# Altium PCB PCB-Relay-Board-V1.PcbDoc (part 5 of 5)
Units mil, origin at the board's own origin, x right, y up, seen from the top; angles counter-clockwise.
Board outline 6496.06 x 5078.74 mil, 8 copper layers (Top Layer, Inner1, Inner2, Inner3, Inner4, Inner5, Inner6, Bottom Layer), stack 59.685 mil thick; 429 components, 373 nets, 1663 pads, 713 vias.
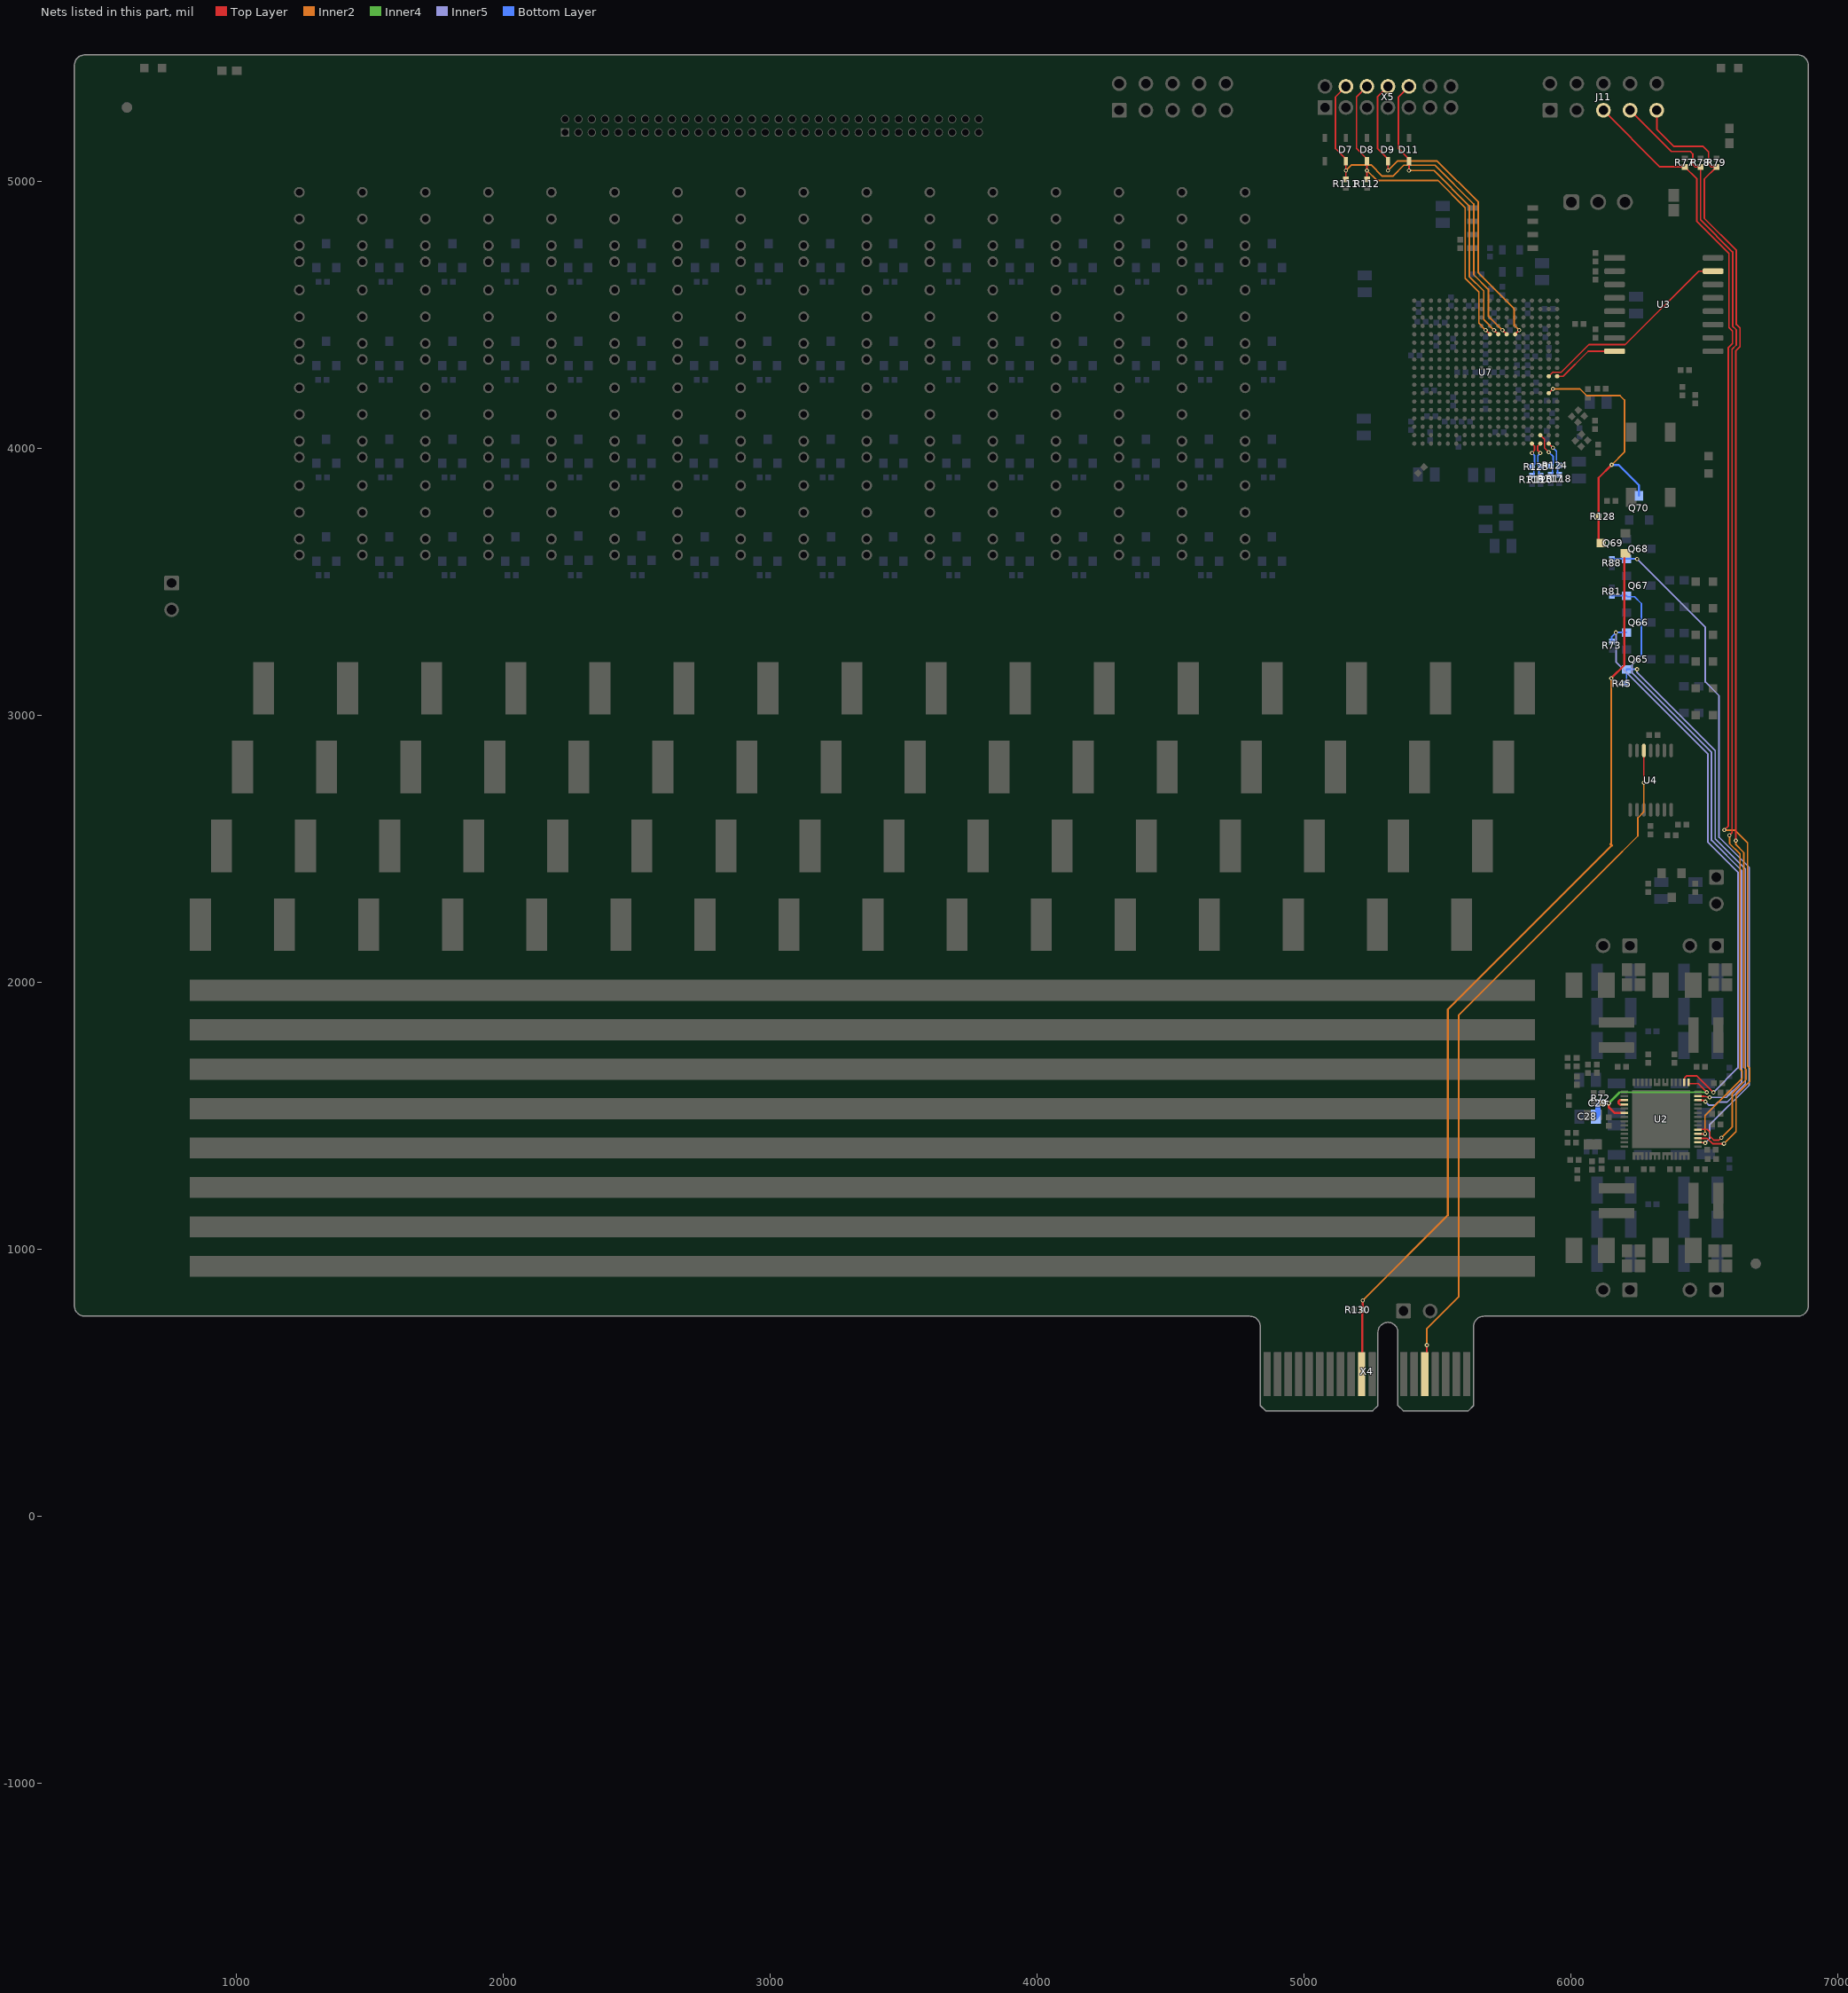
[diagram p11: the nets of this part, all layers, seen from the top]

## Via types
v1: diameter 15.75, hole 7.87, Top Layer to Bottom Layer, 631 vias
v2: diameter 27.56, hole 11.81, Top Layer to Bottom Layer, 82 vias

## Nets (pads, with @x,y where several pads share a name; then routed paths per layer and width w, separated by ;. In a path a pad name is that pad's centre, name@x,y a point inside that pad or via, vN(x,y) a via of type N, cw(c..) or ccw(c..) an arc to the next point about the centre after c; other vN are vias at no path point) (continued)
NetR117_1: R117.1 R124.1 U7.U16 | length 159.4
  Top Layer w5: 5901.56,4000.22 5901.56,4032.32
  Top Layer w6: U7.U16@5885.81,4048.06 5901.56,4032.32 ; 5901.56,4000.22 v1(5917.31,3984.48)
  Bottom Layer w6: v1(5917.31,3984.48) 5934.13,3967.65 5934.13,3944.02 R124.1@5924.85,3934.74 ; R117.1@5931.13,3905.28 R124.1@5931.13,3927.51
NetR118_1: R118.1 R124.2 U7.V17 | length 120.2
  Top Layer w6: U7.V17@5917.31,4016.57 v1(5933.06,4000.82)
  Bottom Layer w6: v1(5933.06,4000.82) 5946.29,3987.59 5946.29,3944.79 R124.2@5956.34,3934.74 ; R118.1@5950.06,3905.28 R124.2@5950.06,3927.51
NetR119_1: R119.1 R123.1 U7.V15 | length 124.7
  Top Layer w6: v1(5854.32,3981.19) 5864.17,3991.04 5864.17,4006.71 U7.V15@5854.32,4016.57
  Bottom Layer w6: v1(5854.32,3981.19) 5864.56,3970.94 5864.56,3939.72 R123.1@5855.24,3930.39 ; R119.1@5861.52,3900.94 R123.1@5861.52,3923.16
NetR120_1: R120.1 R123.2 U7.V16 | length 124.4
  Top Layer w6: v1(5885.81,3981.19) 5876.17,3990.83 5876.17,4006.93 U7.V16@5885.81,4016.57
  Bottom Layer w6: R120.1@5880.45,3900.94 R123.2@5880.45,3923.16 ; v1(5885.81,3981.19) 5876.56,3971.94 5876.56,3940.56 R123.2@5886.73,3930.39
NetU2_45: U2.45 U2.46 | length 54.4
  Top Layer w8.66: U2.46@6200.79,1541.34 6183.55,1541.34 6178.48,1546.41 6178.48,1552.01 6183.55,1557.09 U2.45@6200.79,1557.09
NetU3_8: U3.8 U7.K18 | length 254.1
  Top Layer w6: U7.K18@5948.8,4268.54 5971.29,4268.54 6065.16,4362.4 U3.8@6163.98,4362.4
NetU3_15: U3.15 U7.K17 | length 778.7
  Top Layer w5: 5933.06,4284.28 5964.55,4284.28
  Top Layer w6: U7.K17@5917.31,4268.54 5933.06,4284.28 ; 5964.55,4284.28 6067.56,4387.3 6203.74,4387.3 6478.84,4662.4 U3.15@6532.87,4662.4
nPOR_1: Q69.3 Q70.3 R128.2 U7.M17 | length 1061
  Top Layer w6: U7.M17@5917.31,4205.54 v1(5933.06,4221.29)
  Top Layer w8: Q69.3@6114.17,3643.7 6104.33,3653.54 R128.2@6104.33,3744.09 6104.33,3888.18 v1(6153.17,3937.02)
  Inner2 w6: v1(5933.06,4221.29) 6034.16,4221.29 6059.2,4196.25 6184.19,4196.25 6200.79,4179.66 6200.79,3984.64 v1(6153.17,3937.02)
  Bottom Layer w8: v1(6153.17,3937.02) 6178.94,3937.02 6255.91,3860.05 Q70.3@6255.91,3820.87
PG_A_2: Q65.1 R45.1 U2.26 | length 2033.5
  Top Layer w6: U2.26@6476.38,1557.09 6496.16,1557.09 v1(6504,1551.88)
  Inner5 w6: v1(6248.03,3171.26) 6248.03,3159.14 6541.12,2866.05 6541.12,2536.29 6654.18,2423.23 6654.18,1619.1 6585.24,1550.16 6551.49,1550.16 6539.42,1538.08 6517.8,1538.08 v1(6504,1551.88)
  Bottom Layer w6: R45.1@6208.66,3118.07 Q65.1@6208.66,3173.19 ; Q65.1@6208.66,3171.26 v1(6248.03,3171.26)
PG_B_2: Q66.1 R73.1 U2.30 | length 2182.2
  Top Layer w6: U2.30@6425.41,1624.23 6426.38,1625.2 6426.38,1640.83 6433.27,1647.73 6472.68,1647.73 v1(6534.03,1586.38)
  Inner5 w6: v1(6169.29,3309.06) 6169.29,3198.28 6513.12,2854.46 6513.12,2524.69 6626.18,2411.63 6626.18,1678.52 v1(6534.03,1586.38)
  Bottom Layer w6: R73.1@6153.54,3275.75 6153.54,3293.31 v1(6169.29,3309.06) Q66.1@6208.66,3309.06
PG_C_2: Q67.1 R81.1 U2.27 | length 2289.1
  Top Layer w6: U2.27@6476.38,1572.83 6477.4,1571.81 6498.87,1571.81 v1(6520,1567.42)
  Inner5 w6: v1(6250,3208.66) 6229.03,3187.69 6229.03,3158.34 6527.12,2860.25 6527.12,2530.49 6640.18,2417.43 6640.18,1624.9 6582.7,1567.42 v1(6520,1567.42)
  Bottom Layer w6: R81.1@6153.54,3446.85 Q67.1@6208.66,3446.85 6212.18,3443.33 6238.51,3443.33 6264.5,3417.35 6264.5,3223.16 v1(6250,3208.66)
PG_D_2: Q68.1 R88.1 U2.16 | length 2552.6
  Top Layer w6: U2.16@6476.38,1399.61 6477.57,1398.41 6502.1,1398.41 v1(6503.52,1397)
  Inner5 w6: v1(6248.03,3584.65) 6503.95,3328.73 6503.95,3123.58 6555.12,3072.42 6555.12,2542.09 6668.18,2429.03 6668.18,1613.3 6520.58,1465.7 6520.58,1414.06 v1(6503.52,1397)
  Bottom Layer w6: R88.1@6153.54,3584.65 Q68.1@6208.66,3584.65 v1(6248.03,3584.65)
RST_1: Q69.1 R130.2 X4.B10 | length 3489.9
  Top Layer w8: X4.B10@5216.54,531.5 5218.5,533.46 R130.2@5218.5,771.65 5216.54,773.62 5220.47,777.56 v1(5220.47,807.09) ; v1(6151.57,3137.8) 6200.85,3187.07 6200.85,3602.42 Q69.1@6204.72,3606.3
  Inner2 w8: v1(5220.47,807.09) 5539.05,1125.66 5539.05,1896.68 6153.54,2511.17 6148.57,2516.14 6151.57,2519.15 v1(6151.57,3137.8)
SCLK_1: U4.5 X4.B14 | length 2675.6
  Top Layer w6: X4.B14@5452.76,531.5 5460.78,539.52 v1(5460.78,640.01) ; v1(6273.62,2746.06) U4.5@6273.62,2867.13
  Inner2 w6: v1(5460.78,640.01) 5460.78,701.92 5580.2,821.34 5580.2,1876.12 6138.46,2434.38 6251.05,2546.97 6251.05,2614.82 6273.62,2637.39 v1(6273.62,2746.06)
SMBUS.ALERT#: J11.5 R77.1 U2.17 | length 4347.3
  Top Layer w6: J11.5@6122.05,5264.96 6333.86,5053.15 R77.1@6427.17,5053.15 6472.22,5008.09 6472.22,4848.63 6592.25,4728.6 6592.25,4450.94 6605.83,4437.37 6605.83,4391.37 6590.33,4375.88 6590.33,2584.42 v1(6574.8,2568.9) ; U2.17@6476.38,1415.35 6477.7,1414.03 6511.24,1414.03 6530.96,1394.31 v1(6573.66,1394.31)
  Inner2 w6: v1(6573.66,1394.31) 6619.03,1439.69 6619.03,1576.59 6670.48,1628.04 6670.48,1677.48 6662.16,1685.81 6662.16,2520.91 6614.17,2568.9 v1(6574.8,2568.9)
SMBUS.CLK: J11.7 R78.1 U2.18 | length 4165.9
  Top Layer w6: J11.7@6222.05,5264.96 6375.94,5111.07 6447.32,5111.07 6456.69,5101.69 6456.69,5062.81 6466.35,5053.15 R78.1@6486.22,5053.15 6486.22,4854.43 6606.25,4734.39 6606.25,4456.74 6619.83,4443.17 6619.83,4385.57 6604.33,4370.08 6604.33,2559.05 v1(6594.49,2549.21) ; U2.18@6476.38,1431.1 v1@6501.97,1431.1
  Inner2 w6: v1(6503,1431.01) 6503,1500.15 6642.48,1639.63 6642.48,1665.89 6634.16,1674.21 6634.16,2479.06 6594.49,2518.73 v1(6594.49,2549.21)
SMBUS.DATA: J11.9 R79.1 U2.19 | length 4269.4
  Top Layer w6: J11.9@6322.05,5264.96 6322.05,5194.02 6386.46,5129.6 6495.77,5129.6 6515.75,5109.62 6515.75,5062.81 6525.41,5053.15 R79.1@6545.28,5053.15 6500.22,5008.09 6500.22,4860.23 6620.25,4740.19 6620.25,4462.54 6633.83,4448.97 6633.83,4379.77 6618.33,4364.28 v1(6618.33,2529.53) ; U2.19@6476.38,1446.85 6477.64,1448.11 6511.19,1448.11 6521.16,1438.14 6521.16,1421.75 6535.43,1407.48 6554.93,1407.48 v1(6563.86,1416.4)
  Inner2 w6: v1(6563.86,1416.4) 6605.03,1457.58 6605.03,1582.39 6656.48,1633.83 6656.48,1671.68 6648.16,1680.01 6648.16,2484.86 6618.33,2514.69 v1(6618.33,2529.53)
TCK_7: D8.2 R112.1 U7.E10 X5.6 | length 1319.1
  Top Layer w6: R112.1@5236.22,5005.91 v1(5236.22,5039.37) D8.2@5236.22,5074.8 5236.22,5082.54 5196.85,5121.91 5196.85,5314.96 X5.6@5236.22,5354.33 ; v1(5681.09,4441.76) U7.E10@5696.84,4426.02
  Inner2 w6: v1(5236.22,5039.37) 5273.35,5002.24 5502.03,5002.24 5603.96,4900.31 5603.96,4635.73 5655.3,4584.38 5655.3,4467.55 v1(5681.09,4441.76)
TDI_7: D11.2 U7.E11 X5.10 | length 1154.3
  Top Layer w6: v1(5393.7,5039.37) D11.2@5393.7,5074.8 5393.7,5082.54 5354.33,5121.91 5354.33,5314.96 X5.10@5393.7,5354.33 ; v1(5712.58,4441.76) U7.E11@5728.33,4426.02
  Inner2 w6: v1(5393.7,5039.37) 5487.17,5039.37 5619.71,4906.84 5619.71,4642.25 5673.68,4588.27 5673.68,4480.66 v1(5712.58,4441.76)
TDO_7: D9.2 U7.E13 X5.8 | length 1329.4
  Top Layer w6: v1(5314.96,5039.37) D9.2@5314.96,5074.8 5314.96,5082.54 5275.59,5121.91 5275.59,5314.96 X5.8@5314.96,5354.33 ; U7.E13@5791.32,4426.02 v1(5807.07,4441.76)
  Inner2 w6: v1(5314.96,5039.37) 5350.39,5074.8 5499.39,5074.8 5653.4,4920.79 5653.4,4656.21 5787.29,4522.31 5787.29,4461.54 v1(5807.07,4441.76)
TMS_7: D7.2 R111.1 U7.E12 X5.4 | length 1502.2
  Top Layer w6: R111.1@5157.48,5005.91 v1(5157.48,5039.37) D7.2@5157.48,5074.8 5157.48,5082.68 5152.61,5087.55 5152.46,5087.55 5118.11,5121.91 5118.11,5314.96 X5.4@5157.48,5354.33 ; v1(5744.08,4441.76) U7.E12@5759.83,4426.02
  Inner2 w6: v1(5157.48,5039.37) 5178.64,5060.53 5251.47,5060.53 5293.63,5018.37 5333.33,5018.37 5374.02,5059.06 5491.24,5059.06 5636.5,4913.79 5636.5,4649.21 5691.13,4594.58 5691.13,4494.72 v1(5744.08,4441.76)
Vcc_2: C28.1 C29.1 R72.2 U2.29 U2.48 | length 669
  Top Layer w6: U2.29@6440.94,1624.02 6440.94,1620.19 6442.28,1618.86 6478.21,1618.86 6509.71,1587.35 v1(6509.71,1586.82)
  Top Layer w8.66: C29.1@6118.11,1545.28 v1(6141.73,1545.28) 6142.9,1544.1 6142.9,1530.38 6163.45,1509.84 U2.48@6200.79,1509.84
  Inner4 w8: v1(6141.73,1545.28) 6183.28,1586.82 v1(6509.71,1586.82)
  Bottom Layer w16: R72.2@6112.2,1549.21 6137.8,1549.21 v1(6141.73,1545.28)
  Bottom Layer w20: C28.1@6094.49,1496.06 6101.58,1503.16 6101.58,1538.59 R72.2@6112.2,1549.21
pads on no net: AOI1.0 AOI2.0 AOI4.0 AOI5.0 PROG.2 U2.23 U2.24 U2.25 U2.43 U3.3 U3.4 U3.5 U3.6 U3.11 U3.12 U3.13 U3.14 U7.A11 U7.A13 U7.A18 U7.B11 U7.B12 U7.B13 U7.B16 U7.B17 U7.B18 U7.C5 U7.C6 U7.C7 U7.C9 U7.C10 U7.C12 U7.C14 U7.C15 U7.C16 U7.C17 U7.D3 U7.D4 U7.D5 U7.D7 U7.D8 U7.D9 U7.D10 U7.D12 U7.D13 U7.D14 U7.D15 U7.D17 U7.D18 U7.E5 U7.E6 U7.E7 U7.E15 U7.E16 U7.E18 U7.F3 U7.F4 U7.F5 U7.F6 U7.F13 U7.F14 U7.F15 U7.F16 U7.F18 U7.G4 U7.G6 U7.G13 U7.G14 U7.G16 U7.G17 U7.G18 U7.H5 U7.H6 U7.H14 U7.H15 U7.H16 U7.H17 U7.J5 U7.J13 U7.J14 U7.J15 U7.J17 U7.J18 U7.K5 U7.K6 U7.K13 U7.K15 U7.K16 U7.L3 U7.L4 U7.L6 U7.L16 U7.M3 U7.M4 U7.M6 U7.M13 U7.M16 U7.N4 U7.N5 U7.N6 U7.N14 U7.N15 U7.N16 U7.N17 U7.P4 U7.P5 U7.P14 U7.P15 U7.P17 U7.P18 U7.R3 U7.R5 U7.R6 U7.R7 U7.R8 U7.R10 U7.R11 U7.R12 U7.R13 U7.R15 U7.R16 U7.R17 U7.T3 U7.T4 U7.T5 U7.T6 U7.T8 U7.T9 U7.T10 U7.T11 U7.T13 U7.T14 U7.T15 U7.T16 U7.U4 U7.U13 X5.12 X5.14

## Polygon pours and split planes (outlines as drawn)
1V8 on Top Layer "1V8" (solid, remove dead copper, pour order 13): 5733.37,3640.92 5694.8,3679.48 5677.51,3679.48 5659.45,3661.42 5659.45,3582.68 5875.98,3366.14 5925.2,3366.14 6023.62,3267.72 6023.62,2874.02 5974.41,2824.8 5974.41,2349.86 6139.23,2185.04 6253.61,2185.04 6299.21,2139.44 6299.21,2106.3 6328.74,2076.77 6385.83,2076.77 6427.17,2035.43 6427.17,1940.94 6579.18,1940.94 6604.33,1966.09 6604.33,2013.34 6512.25,2013.34 6490.16,2035.43 6490.16,2171.26 6427.17,2234.25 6407.48,2234.25 6361.79,2279.94 6264.61,2279.94 6240.16,2304.39 6240.16,2534.44 6161.42,2613.18 6161.42,3100.39 6131.89,3129.92 6131.89,3562.99 6053.97,3640.92
1V0 on Top Layer "GND" (solid, remove dead copper, pour order 12): 6279.53,2013.34 6279.53,1966.09 6254.38,1940.94 6102.36,1940.94 6102.36,2035.43 6061.02,2076.77 6003.94,2076.77 5974.41,2106.3 5974.41,2145.67 5992.13,2163.39 6121.26,2163.39 6165.35,2119.29 6165.35,2035.43 6187.45,2013.34
3V3 on Top Layer "GND" (solid, remove dead copper, pour order 11): 6279.53,968.94 6279.53,1016.19 6254.38,1041.34 6102.36,1041.34 6102.36,946.85 6061.02,905.51 6003.94,905.51 5974.41,875.98 5974.41,836.61 5992.13,818.9 6121.26,818.9 6165.35,862.99 6165.35,946.85 6187.45,968.94
12V0 on Top Layer "12V0" (solid, remove dead copper, pour order 5): 6272.05,1362.4 6272.05,1311.42 6247.05,1286.42 6197.83,1286.42 6190.31,1293.94 6190.31,1320.83 6231.89,1362.4
12V0 on Top Layer "12V0" (solid, remove dead copper, pour order 4): 6405.12,1362.4 6405.12,1311.42 6430.12,1286.42 6479.33,1286.42 6486.85,1293.94 6486.85,1320.83 6445.28,1362.4
12V0 on Top Layer "12V0" (solid, remove dead copper, pour order 0): 6472.93,1663.88 6481.3,1672.24 6481.3,1693.9 6471.46,1693.9 6426.67,1693.9 6414.37,1681.59 6414.37,1663.88
12V0 on Top Layer "12V0" (solid, remove dead copper, pour order 3): 6204.23,1663.88 6195.87,1672.24 6195.87,1693.9 6205.71,1693.9 6250.49,1693.9 6262.8,1681.59 6262.8,1663.88
GND on Bottom Layer "GND" (solid, remove dead copper, pour order 17): 6089.55,3969.71 6086.23,3966.39 5998.99,3966.39 5986.2,3979.17 5375.97,3979.17 5375.97,4589.4 6010.81,4589.4 6010.81,4284.28 6010.81,4263.42 6089.55,4184.68
3V3 on Bottom Layer "3V3" (solid, remove dead copper, pour order 15): 5378.22,3979.17 5394.11,3963.28 5639.9,3963.28 5681.13,3922.04 5681.13,3874.84 5715.54,3909.24 5715.54,3926.02 5732.94,3943.43 5815.73,3943.43 5851.47,3979.17 5986.2,3979.17 5986.2,4589.4 5694.87,4589.4 5641.75,4642.52 5625.94,4642.52 5607.72,4624.3 5410.87,4624.3 5375.97,4589.4 5375.97,3979.17
1V0 on Bottom Layer "1V0" (solid, remove dead copper, pour order 16): 5539.35,4126.8 5539.35,4441.76 5765.53,4441.76 5765.53,4126.8
1V8 on Bottom Layer "1V8" (solid, remove dead copper, pour order 14): 5744.08,4158.3 5744.08,4457.51 5848.61,4457.51 5848.61,4158.3
GND on Bottom Layer "12V0" (solid, remove dead copper, pour order 8): 6193.9,1584.65 6137.8,1528.54 6137.8,1443.9 6193.9,1387.8 6483.27,1387.8 6539.37,1443.9 6539.37,1528.54 6483.27,1584.65
12V0 on Bottom Layer "12V0" (solid, remove dead copper, pour order 7): 6283.57,1283.57 6196.74,1283.57 6137.8,1342.52 6137.8,1371.06 6306.1,1371.06 6318.9,1358.27 6318.9,1318.9
12V0 on Bottom Layer "12V0" (solid, remove dead copper, pour order 10): 6393.59,1688.87 6480.42,1688.87 6539.37,1629.92 6539.37,1601.38 6371.06,1601.38 6358.27,1614.17 6358.27,1653.54
12V0 on Bottom Layer "12V0" (solid, remove dead copper, pour order 6): 6393.59,1283.57 6480.42,1283.57 6539.37,1342.52 6539.37,1371.06 6371.06,1371.06 6358.27,1358.27 6358.27,1318.9
12V0 on Bottom Layer "12V0" (solid, remove dead copper, pour order 9): 6283.57,1688.87 6196.74,1688.87 6137.8,1629.92 6137.8,1601.38 6306.1,1601.38 6318.9,1614.17 6318.9,1653.54
1V8 on Inner5 "1V8" (solid, remove dead copper, pour order 19): 5725.85,4136.96 5854.12,4008.69 5956.68,4008.69 5963.34,4002.03 5963.34,3574.06 6013.78,3523.62 6072.83,3523.62 6141.73,3592.52 6141.73,3917.35 6092.05,3967.03 6092.05,4141.04 5799.2,4433.89 5749.48,4433.89 5725.85,4410.27
1V0 on Inner5 "1V0" (solid, remove dead copper, pour order 23): 5731.3,3481.3 5731.3,3526.57 5731.3,4003.88 5657.47,4075.55 5657.46,4327.59 5698.95,4369.08 5749.92,4369.08 5759.83,4378.99 5759.83,4433.37 5925.2,4598.74 5925.2,4616.14 5893.87,4647.47 5708.47,4647.47 5446.02,4385.03 5446.02,3309.86 5537.38,3218.5 5816.93,3218.5 5885.83,3149.61 5885.83,2165.35 5943.63,2107.55 6048.77,2107.55 6102.36,2161.13 6102.36,2490.16 6141.73,2529.53 6141.73,3326.77 6013.78,3454.72 5757.87,3454.72
12V0 on Inner5 "12V" (solid, remove dead copper, pour order 18): 6441.54,1718.5 6355.15,1804.89 6258.09,1804.89 6224.41,1838.58 6224.41,1907.48 6446.06,2129.13 6446.06,2362.99 6358.27,2450.79 6269.69,2450.79 6121.26,2302.36 6121.26,2168.37 5964.51,2011.61 5963.78,1534.64 5216.54,787.4 5216.54,675.2 5242.13,649.61 5242.13,448.82 5269.69,448.82 5269.69,712.6 5295.28,738.19 5334.65,738.19 5360.24,712.6 5360.24,448.82 5387.8,448.82 5387.8,649.61 5473.23,735.04 5473.23,767.72 5502.06,796.55 5774.9,796.55 6159.45,1181.1 6439.96,1181.1 6483.27,1224.41 6483.27,1676.78
1V0 on Inner5 "1V0" (solid, remove dead copper, pour order 24): 6062.99,2116.14
3V3 on Inner2 "3V3" (solid, remove dead copper, pour order 28): 5451.3,4001.37 5436.59,4001.37 5409.96,4028.01 5375.97,4062 5375.97,4503.95 5461.42,4589.4 5942.52,4589.4 6006.65,4525.27 6006.65,4326.38 5970.6,4290.34 5970.32,3994.81 5964.73,3994.81 5937.27,4022.27 5850.71,4022.27 5807.64,3979.2 5775.02,3946.58 5775.02,3873.16 5730.6,3828.74 5659.45,3828.74 5586.6,3901.59 5586.6,3996.08 5507.87,4074.8 5476.43,4074.8 5458.66,4057.04 5458.66,4008.73
12V0 on Inner2 "12V0" (solid, remove dead copper, pour order 29): 5269.69,570.5 5269.69,712.6 5295.28,738.19 5334.65,738.19 5360.24,712.6 5360.24,570.5 5384.07,570.5 5400.79,587.22 5400.79,800 5383.86,816.93 5246.06,816.93 5217.77,788.64 5217.77,673.96 5242.13,649.61 5242.13,570.5
1V0 on Inner2 "1V0" (solid, remove dead copper, pour order 26): 5578.28,4135.13 5547.24,4166.16 5547.24,4394.73 5601.26,4448.74 5723.83,4448.74 5767.69,4404.88 5767.71,4154.96 5747.88,4135.13
3V3IO on Inner2 "3V3IO" (solid, remove dead copper, pour order 22): 6732.28,5087.93 6387.14,5433.07 5994.09,5433.07 5970.22,5409.2 5970.22,5220.72 6013.78,5177.17 6407.48,5177.17 6419.74,5164.91 6419.74,5130.37 6320.85,5031.48 6320.85,3624 6259.84,3562.99 6161.42,3562.99 6122.05,3523.62 6122.05,3494.09 6299.21,3316.93 6299.21,3123.93 6245.26,3069.97 6245.26,3046.08 6269.69,3021.65 6309.06,3021.65 6382.87,2947.83 6382.87,2573.82 6299.21,2490.16 6299.21,1938.98 6320.85,1917.34 6320.85,1773.29 6289.68,1742.13 6045.17,1742.13 6029.05,1758.25 6013.14,1758.25 6007.23,1752.34 6007.23,1398.28 5980.65,1371.7 5980.65,1357.75 5994.22,1344.17 6292,1344.17 6312.5,1364.67 6341.63,1364.67 6356.1,1346.65 6401.31,1301.44 6483.68,1301.44 6546.61,1364.37 6546.61,1408.81 6555.12,1417.32 6555.12,1437.01 6549.66,1442.46 6533.68,1442.46 6507.63,1416.41 6491.07,1416.41 6476.38,1431.1 6478.22,1432.95 6478.22,2147.51 6604.33,2273.62 6604.33,2473.08 6555.12,2522.29 6555.12,2597.69 6732.28,2774.86
1V8 on Inner2 "1V8" (solid, remove dead copper, pour order 27): 5773.7,4426.02 5762.3,4414.62 5762.3,4401.62 5758.6,4397.92 5758.6,4179.51 5772.58,4165.53 5796.08,4165.53 5820.34,4189.8 5820.34,4223.77 5799.2,4244.91 5799.2,4265 5860.02,4325.82 5860.02,4380.74 5814.75,4426.02
no net on Inner2 "3V3" (solid, remove dead copper, pour order 21): 6019.88,1755.91
3V3 on Inner4 "3V3" (solid, remove dead copper, pour order 20): 6141.73,3149.61 6279.53,3011.81 6305.12,3011.81 6317.91,2999.02 6317.91,2974.26 6286.57,2942.91 6250,2942.91 6141.73,2834.65 6141.73,2244.09 6181.1,2204.72 6181.1,2076.77 6141.73,2037.4 6141.73,1120.27 6190.94,1071.06 6190.94,912.94 6085.09,807.09 5974.41,807.09 5708.66,1072.83 5708.66,2342.52 5787.4,2421.26 5787.4,2657.48 5856.3,2726.38 5856.3,2933.07 5925.2,3001.97 5925.2,3198.82 5708.66,3415.35 5708.66,3646.47 5375.97,3979.17 5233.43,3979.17 5206.69,4005.91 5206.69,4046.99 5305.56,4145.86 5375.01,4145.86 5375.01,4434.9 5514.75,4574.64 5555.14,4574.64 5590.55,4610.05 5590.55,4702.86 5515.8,4777.61 5433.64,4777.61 5281.57,4625.54 5197.29,4625.54 4990.16,4832.68 4990.16,5383.86 5029.53,5423.23 5590.55,5423.23 6043.31,4970.47 6043.31,4872.05 6318.9,4596.46 6318.9,4458.66 6476.38,4301.18 6476.38,4245.08 6289.37,4058.07 6289.37,3494.09 6141.73,3346.46
GND on Inner3 "GND" (solid, remove dead copper, pour order 25): 5181.09,4625.54 4980.31,4826.32 4981.44,4873.19 4708.57,5143.8 4331.67,5143.8 4251.97,5223.5 4251.97,5423.23 4281.5,5452.76 6830.71,5452.76 6850.39,5433.07 6850.39,807.09 6840.55,797.24 5649.61,797.24 5620.08,767.72 5620.08,641.45 5545.28,566.64 5416.47,566.64 5399.61,583.51 5399.61,1757.87 5935.04,2293.31 5935.04,3159.45 5181.09,3913.39
GND on Inner1 (split plane): 6854.17,5452.06 6857.8,5450.96 6861.15,5449.17 6864.09,5446.76 6866.49,5443.83 6868.28,5440.48 6869.38,5436.85 6869.71,5433.53 6869.67,5433.07 6869.67,787.4 6869.71,786.94 6869.38,783.62 6868.28,779.99 6866.49,776.64 6864.09,773.71 6861.15,771.3 6857.8,769.51 6854.17,768.41 6850.85,768.08 6850.39,768.13 5675.2,768.13 5675.12,768.12 5668.54,767.75 5661.97,766.63 5655.56,764.79 5649.4,762.24 5643.56,759.01 5638.12,755.15 5633.15,750.71 5628.71,745.74 5624.85,740.3 5621.62,734.46 5619.07,728.3 5617.22,721.89 5616.11,715.32 5615.74,708.74 5615.73,708.66 5615.73,421.71 5607.82,413.8 5380.37,413.8 5372.46,421.71 5372.46,687.4 5372.44,687.55 5372.09,693.84 5371.01,700.19 5369.23,706.39 5366.76,712.35 5363.64,717.99 5359.91,723.25 5355.61,728.05 5350.81,732.35 5345.55,736.08 5339.91,739.2 5333.95,741.67 5327.75,743.45 5321.4,744.53 5314.96,744.89 5308.52,744.53 5302.17,743.45 5295.97,741.67 5290.02,739.2 5284.37,736.08 5279.11,732.35 5274.31,728.05 5270.01,723.25 5266.28,717.99 5263.16,712.35 5260.69,706.39 5258.91,700.19 5257.83,693.84 5257.48,687.55 5257.46,687.4 5257.46,421.71 5249.55,413.8 4864.62,413.8 4856.71,421.71 4856.71,708.66 4856.7,708.74 4856.33,715.32 4855.22,721.89 4853.37,728.3 4850.82,734.46 4847.59,740.3 4843.73,745.74 4839.29,750.71 4834.32,755.15 4828.88,759.01 4823.04,762.24 4816.88,764.79 4810.48,766.63 4803.9,767.75 4797.32,768.12 4797.24,768.13 433.07,768.13 432.61,768.08 429.29,768.41 425.66,769.51 422.31,771.3 419.38,773.71 416.97,776.64 415.18,779.99 414.08,783.62 413.75,786.94 413.8,787.4 413.8,5433.07 413.75,5433.53 414.08,5436.85 415.18,5440.48 416.97,5443.83 419.38,5446.76 422.31,5449.17 425.66,5450.96 429.29,5452.06 432.61,5452.39 433.07,5452.34 6850.39,5452.34 6850.85,5452.39
GND on Inner6 (split plane): 6854.17,5452.06 6857.8,5450.96 6861.15,5449.17 6864.09,5446.76 6866.49,5443.83 6868.28,5440.48 6869.38,5436.85 6869.71,5433.53 6869.67,5433.07 6869.67,787.4 6869.71,786.94 6869.38,783.62 6868.28,779.99 6866.49,776.64 6864.09,773.71 6861.15,771.3 6857.8,769.51 6854.17,768.41 6850.85,768.08 6850.39,768.13 5675.2,768.13 5675.12,768.12 5668.54,767.75 5661.97,766.63 5655.56,764.79 5649.4,762.24 5643.56,759.01 5638.12,755.15 5633.15,750.71 5628.71,745.74 5624.85,740.3 5621.62,734.46 5619.07,728.3 5617.22,721.89 5616.11,715.32 5615.74,708.74 5615.73,708.66 5615.73,421.71 5607.82,413.8 5380.37,413.8 5372.46,421.71 5372.46,687.4 5372.44,687.55 5372.09,693.84 5371.01,700.19 5369.23,706.39 5366.76,712.35 5363.64,717.99 5359.91,723.25 5355.61,728.05 5350.81,732.35 5345.55,736.08 5339.91,739.2 5333.95,741.67 5327.75,743.45 5321.4,744.53 5314.96,744.89 5308.52,744.53 5302.17,743.45 5295.97,741.67 5290.02,739.2 5284.37,736.08 5279.11,732.35 5274.31,728.05 5270.01,723.25 5266.28,717.99 5263.16,712.35 5260.69,706.39 5258.91,700.19 5257.83,693.84 5257.48,687.55 5257.46,687.4 5257.46,421.71 5249.55,413.8 4864.62,413.8 4856.71,421.71 4856.71,708.66 4856.7,708.74 4856.33,715.32 4855.22,721.89 4853.37,728.3 4850.82,734.46 4847.59,740.3 4843.73,745.74 4839.29,750.71 4834.32,755.15 4828.88,759.01 4823.04,762.24 4816.88,764.79 4810.48,766.63 4803.9,767.75 4797.32,768.12 4797.24,768.13 433.07,768.13 432.61,768.08 429.29,768.41 425.66,769.51 422.31,771.3 419.38,773.71 416.97,776.64 415.18,779.99 414.08,783.62 413.75,786.94 413.8,787.4 413.8,5433.07 413.75,5433.53 414.08,5436.85 415.18,5440.48 416.97,5443.83 419.38,5446.76 422.31,5449.17 425.66,5450.96 429.29,5452.06 432.61,5452.39 433.07,5452.34 6850.39,5452.34 6850.85,5452.39

## Other copper
Top Layer:
  rectangle net 5V0R: 5088.58,610.24 5190.94,649.61
  rectangle net 12V0: 5360.24,600.76 5387.8,649.61
  rectangle net 12V0: 5242.13,600.76 5269.69,649.61
  rectangle net GND: 4846.46,600.76 4874.02,649.61
  rectangle net GND: 5045.28,600.76 5074.8,649.61
  rectangle net GND: 5517.72,600.76 5545.28,649.61
  rectangle net GND: 5399.61,600.76 5427.17,649.61
  region net GND: 629.92,5472.44 629.92,5354.33 511.81,5354.33 511.81,5196.85 629.92,5196.85 629.92,748.03 433.07,748.03 cw(c433.07,787.4) 393.7,787.4 393.7,5433.07 cw(c433.07,5433.07) 433.07,5472.44
  region net GND: 6653.54,5472.44 6653.54,5354.33 6771.65,5354.33 6771.65,5196.85 6653.54,5196.85 6653.54,1023.62 6771.65,1023.62 6771.65,866.14 6653.54,866.14 6653.54,748.03 6850.39,748.03 ccw(c6850.39,787.4) 6889.76,787.4 6889.76,5433.07 ccw(c6850.39,5433.07) 6850.39,5472.44
  region net GND: 5980.32,1755.91 5980.31,1741.61 5985.23,1736.7 5988.67,1736.7 6011.61,1759.64 6027.66,1759.64 6044.2,1743.1 6044.2,1721.55 6060.14,1705.6 6064.06,1705.6 6069.97,1711.52 6069.97,1752.09 6069.97,1926.27 6072.83,1929.13 6072.83,2057.09 6062.99,2066.93 6053.15,2066.93 6013.78,2027.56 6013.78,1958.66 5998.03,1958.66 5980.31,1940.94
  region net GND: 6278.54,2336.61 6259.84,2317.91 6259.84,2303.15 6269.69,2293.31 6309.06,2293.31 6318.9,2303.15 6318.9,2317.91 6300.2,2336.61
  region: 6240.16,2411.42
  region net 12V0: 6278.54,2368.11 6269.69,2376.97 6269.69,2414.14 6296.49,2440.94 6340.55,2440.94 6356.3,2425.2 6356.3,2389.76 6348.43,2381.89 6313.98,2381.89 6300.2,2368.11
  region: 6278.54,2357.28
  region net 3V3IO: 6399.61,2440.94 6549.55,2440.94 6572.83,2417.66 6572.83,2367.38 6557.81,2352.36 6505.91,2352.36 6490.16,2368.11 6421.26,2368.11 6399.61,2389.76
  region net GND: 6477.36,2336.61 6485.74,2328.24 6559.55,2328.24 6584.65,2303.15 6584.65,2273.62 6564.96,2253.94 6407.48,2253.94 6362.2,2299.21 6362.2,2334.65 6364.17,2336.61
  region net GND: 6114.56,1377.24 6120.21,1382.88 6120.21,1421.92 6152.56,1454.27 6138.06,1468.76 6124.28,1468.76 6095.34,1439.82 6075.65,1439.82 6070.09,1434.26 6070.09,1414.58 6063.7,1408.19 6063.7,1387.08 6073.55,1377.24
  region net GND: 6377.95,1919.29 6338.58,1958.66 6338.58,2027.56 6377.95,2066.93 6387.8,2066.93 6397.64,2057.09 6397.64,1929.13 6387.8,1919.29
  region net GND: 6377.95,1062.99 6338.58,1023.62 6338.58,954.72 6377.95,915.35 6387.8,915.35 6397.64,925.2 6397.64,1053.15 6387.8,1062.99
  region net GND: 6060.04,1269.68 6053.15,1269.68 6047.24,1263.78 6007.67,1263.78 5999.68,1271.77 5999.68,1309.06 5984.25,1309.06 5980.31,1305.12 5980.31,1041.34 5998.03,1023.62 6013.78,1023.62 6013.78,954.72 6053.15,915.35 6062.99,915.35 6072.83,925.2 6072.83,1053.15 6069.88,1056.1 6069.88,1259.84
  region net 2V5: 6604.33,972.52 6478.27,972.52 6446.85,1003.94 6484.25,1041.34 6579.18,1041.34 6604.33,1016.19
  region net NetC38_1: 6576.77,1114.17 6614.17,1151.57 6614.17,1289.37 6594.49,1309.06 6552.95,1309.05 6532.61,1288.71 6532.61,1116.19 6534.62,1114.17
  region net NetC49_1: 6104.33,1110.24 6141.73,1072.83 6279.53,1072.83 6299.21,1092.52 6299.21,1151.57 6296.39,1154.4 6106.35,1154.4 6104.33,1152.38
  region net NetC49_1: 6190.94,824.08 6196.12,818.9 6246.4,818.9 6279.53,852.03 6279.53,875.98 6279.53,957.53 6190.94,957.53
  region net NetC38_1: 6515.75,824.08 6520.93,818.9 6571.2,818.9 6604.33,852.03 6604.33,875.98 6604.33,957.16 6515.75,957.16
  region net NetC23_1: 6515.75,2158.21 6520.93,2163.39 6571.2,2163.39 6604.33,2130.26 6604.33,2106.3 6604.33,2024.77 6515.75,2024.77
  region net NetC23_1: 6576.77,1868.11 6614.17,1830.71 6614.17,1692.91 6594.49,1673.23 6549.04,1673.23 6532.61,1689.67 6532.61,1866.09 6534.62,1868.11
  region net NetC11_1: 6104.33,1872.05 6141.73,1909.45 6279.53,1909.45 6299.21,1889.76 6299.21,1830.71 6296.39,1827.88 6106.35,1827.88 6104.33,1829.9
  region net NetC11_1: 6190.94,2158.21 6196.12,2163.39 6246.4,2163.39 6279.53,2130.26 6279.53,2106.3 6279.53,2024.69 6190.94,2024.69
  region net NetC19_2: 6354.33,1616.14 6364.24,1626.06 6364.24,1708.73 6374.02,1718.5 6398.62,1718.5 6415.35,1735.24 6449.8,1735.24 6456.69,1742.13 6456.69,1758.42 6441.29,1773.82 6399.8,1773.82 6346.46,1720.47 6346.46,1624.02
  region net NetC5_2: 6322.83,1616.14 6312.92,1626.06 6312.92,1708.73 6303.15,1718.5 6278.54,1718.5 6261.81,1735.24 6227.36,1735.24 6220.47,1742.13 6220.47,1758.42 6235.87,1773.82 6277.36,1773.82 6330.71,1720.47 6330.71,1624.02
  region net NetC34_2: 6366.54,1360.78 6377.95,1349.36 6377.95,1281.87 6412.77,1247.05 6449.8,1247.05 6473.61,1223.24 6458.84,1208.46 6413.47,1208.46 6346.46,1275.48 6346.46,1356.44 6350.79,1360.78
  region net NetC43_2: 6310.63,1360.78 6299.21,1349.36 6299.21,1281.87 6264.39,1247.05 6206.64,1247.05 6191.65,1232.05 6194.73,1232.05 6218.32,1208.46 6263.69,1208.46 6330.71,1275.48 6330.71,1356.44 6326.38,1360.78
  region: 6850.39,5472.44
  text "1" at 6519.81,5257.15 h40
Inner3:
  text "4" at 6578.74,5257.15 h40
Inner4:
  text "5" at 6598.17,5257.15 h40
Inner2:
  text "3" at 6559.06,5257.15 h40
Inner5:
  rectangle net 5V0R: 5084.65,580.71 5194.88,649.61
  text "6" at 6578.49,5257.15 h40
Bottom Layer:
  rectangle net 5V0R: 5088.58,610.24 5190.94,649.61
  rectangle net 12V0: 5360.24,600.76 5387.8,649.61
  rectangle net 12V0: 5242.13,600.76 5269.69,649.61
  rectangle net GND: 4846.46,600.76 4874.02,649.61
  rectangle net GND: 5045.28,600.76 5074.8,649.61
  rectangle net GND: 5517.72,600.76 5545.28,649.61
  rectangle net GND: 5399.61,600.76 5427.17,649.61
  region net GND: 629.92,5472.44 629.92,5354.33 511.81,5354.33 511.81,5196.85 629.92,5196.85 629.92,748.03 433.07,748.03 cw(c433.07,787.4) 393.7,787.4 393.7,5433.07 cw(c433.07,5433.07) 433.07,5472.44
  region net GND: 6653.54,5472.44 6653.54,5354.33 6771.65,5354.33 6771.65,5196.85 6653.54,5196.85 6653.54,1023.62 6771.65,1023.62 6771.65,866.14 6653.54,866.14 6653.54,748.03 6850.39,748.03 ccw(c6850.39,787.4) 6889.76,787.4 6889.76,5433.07 ccw(c6850.39,5433.07) 6850.39,5472.44
  region net GND: 6365.16,2329.72 6276.57,2329.72 6264.88,2318.03 6264.88,2307.95 6280.51,2292.32 6365.16,2292.32
  region net 12V0: 6312.01,2355.32 6279.53,2387.8 6279.53,2423.89 6286.74,2431.1 6326.77,2431.1 6365.16,2392.72 6365.16,2374.02 6346.46,2355.32
  region net NetC38_1: 6552.03,1309.06 6505.91,1262.93 6505.91,833.92 6520.93,818.9 6571.2,818.9 6603.69,851.39 6603.69,1219.83 6614.17,1230.32 6614.17,1294.29 6599.41,1309.06
  region net NetC49_1: 6196.12,818.9 6181.1,833.92 6181.1,1250 6202.75,1271.65 6248.03,1271.65 6259.84,1259.84 6259.84,1216.53 6300.2,1176.18 6300.2,1093.5 6278.54,1071.85 6278.54,851.04 6246.4,818.9
  region net NetC23_1: 6505.91,1732.28 6515.75,1722.44 6515.75,1702.76 6545.28,1673.23 6599.41,1673.23 6614.17,1687.99 6614.17,1751.97 6603.69,1762.45 6603.69,2130.89 6571.2,2163.39 6520.93,2163.39 6505.91,2148.37
  region net NetC11_1: 6196.12,2163.39 6181.1,2148.37 6181.1,1732.28 6202.75,1710.63 6248.03,1710.63 6259.84,1722.44 6259.84,1765.75 6298.74,1804.65 6298.74,1890.23 6278.54,1910.43 6278.54,2131.24 6246.4,2163.39
  text "8" at 6539.24,5257.15 h40
Inner1 (plane layer: these items are gaps in the copper):
  text "2" at 6539.37,5257.15 h40
Inner6 (plane layer: these items are gaps in the copper):
  text "7" at 6558.8,5257.15 h40

## Silkscreen, mask and mechanical layers (free items; w line width, h text height)
Top Overlay:
  text "LED1" at 624.46,5342.52 h78.74
  text "LED2" at 6526.29,5342.52 h78.74
  text "SMBUS" at 6019.15,5126.83 h78.74
  text "JTAG" at 5498.2,5120.92 h78.74
  text "PROG" at 6216.91,4130.77 h78.74
  text "DONE" at 6434.71,4008.72 h78.74
  text "3V3" at 6316.93,3475.62 h78.74
  text "2V5" at 6308.98,3376.83 h78.74
  text "1V8" at 6318.9,3278.4 h78.74
  text "1V0" at 6318.9,3179.98 h78.74
  text "5V0R" at 6279.53,3071.71 h78.74
  text "3V3IO" at 6259.84,2973.29 h78.74
Bottom Overlay:
  rectangle: 1966.54,2250 3541.34,2525.59
  lines w19.68: 1868.11,1344.49 4141.73,1344.49 4141.73,2624.02 1868.11,2624.02 1868.11,1344.49
  text "S/N :" at 4043.31,2326.44 h196.85
  text "Project : .Project_Number" at 4043.31,2019.52 h196.85
  text "Revision : V.MajorRevision" at 4043.31,1712.61 h196.85
  text "Name : .Project_Name" at 4043.31,1442.91 h196.85
Board Outline:
  the board outline again, w0.5
References:
  lines w0.5: 4836.61,444.88 5277.56,444.88 ; 5352.36,444.88 5635.83,444.88

## Text inside footprints (layer, text, board x,y; h text height)
X3: Top Overlay "4" at 1181.1,3075.43 h78.74; Top Overlay "3" at 1102.36,2780.5 h78.74; Top Overlay "2" at 1023.62,2484.99 h78.74; Top Overlay "1" at 944.7,2189.67 h78.74; Top Overlay "0" at 5905.51,1943.92 h78.74; Top Overlay "1" at 5905.51,1795.91 h78.74; Top Overlay "2" at 5905.51,1649.29 h78.74; Top Overlay "3" at 5905.51,1501.28 h78.74; Top Overlay "4" at 5905.51,1353.96 h78.74; Top Overlay "5" at 5905.51,1205.24 h78.74; Top Overlay "6" at 5905.51,1057.21 h78.74; Top Overlay "7" at 5905.51,910.59 h78.74; Top Overlay "5" at 1259.67,2189.66 h78.74; Top Overlay "6" at 1338.59,2484.98 h78.74; Top Overlay "7" at 1417.33,2780.49 h78.74; Top Overlay "8" at 1496.07,3075.42 h78.74; Top Overlay "9" at 1574.63,2189.66 h78.74; Top Overlay "10" at 1653.55,2484.98 h78.74; Top Overlay "11" at 1732.29,2780.49 h78.74; Top Overlay "12" at 1811.03,3075.42 h78.74; Top Overlay "13" at 1889.59,2189.66 h78.74; Top Overlay "14" at 1968.51,2484.98 h78.74; Top Overlay "15" at 2047.25,2780.49 h78.74; Top Overlay "16" at 2125.99,3075.42 h78.74; Top Overlay "17" at 2204.55,2189.66 h78.74; Top Overlay "18" at 2283.47,2484.98 h78.74; Top Overlay "19" at 2362.21,2780.49 h78.74; Top Overlay "20" at 2440.95,3075.42 h78.74; Top Overlay "21" at 2519.51,2189.66 h78.74; Top Overlay "22" at 2598.43,2484.98 h78.74; Top Overlay "23" at 2677.17,2780.49 h78.74; Top Overlay "24" at 2755.91,3075.42 h78.74; Top Overlay "25" at 2834.47,2189.66 h78.74; Top Overlay "26" at 2913.39,2484.98 h78.74; Top Overlay "27" at 2992.13,2780.49 h78.74; Top Overlay "28" at 3070.87,3075.42 h78.74; Top Overlay "29" at 3149.43,2189.66 h78.74; Top Overlay "30" at 3228.35,2484.98 h78.74; Top Overlay "31" at 3307.09,2780.49 h78.74; Top Overlay "32" at 3385.84,3075.42 h78.74; Top Overlay "33" at 3464.39,2189.66 h78.74; Top Overlay "34" at 3543.32,2484.98 h78.74; Top Overlay "35" at 3622.06,2780.49 h78.74; Top Overlay "36" at 3700.8,3075.42 h78.74; Top Overlay "37" at 3779.35,2189.66 h78.74; Top Overlay "38" at 3858.28,2484.98 h78.74; Top Overlay "39" at 3937.02,2780.49 h78.74; Top Overlay "40" at 4015.76,3075.42 h78.74; Top Overlay "41" at 4094.31,2189.66 h78.74; Top Overlay "42" at 4173.24,2484.98 h78.74; Top Overlay "43" at 4251.98,2780.49 h78.74; Top Overlay "44" at 4330.72,3075.42 h78.74; Top Overlay "45" at 4409.27,2189.66 h78.74; Top Overlay "46" at 4488.2,2484.98 h78.74; Top Overlay "47" at 4566.94,2780.49 h78.74; Top Overlay "48" at 4645.68,3075.42 h78.74; Top Overlay "49" at 4724.23,2189.66 h78.74; Top Overlay "50" at 4803.16,2484.98 h78.74; Top Overlay "51" at 4881.9,2780.49 h78.74; Top Overlay "52" at 4960.64,3075.42 h78.74; Top Overlay "53" at 5039.19,2189.66 h78.74; Top Overlay "54" at 5118.12,2484.98 h78.74; Top Overlay "55" at 5196.86,2780.49 h78.74; Top Overlay "56" at 5275.6,3075.42 h78.74; Top Overlay "57" at 5354.15,2189.66 h78.74; Top Overlay "58" at 5433.08,2484.98 h78.74; Top Overlay "59" at 5511.82,2780.49 h78.74; Top Overlay "60" at 5590.56,3075.42 h78.74; Top Overlay "61" at 5669.12,2189.66 h78.74; Top Overlay "62" at 5748.04,2484.98 h78.74; Top Overlay "63" at 5826.78,2780.49 h78.74; Top Overlay "64" at 5905.52,3075.42 h78.74